# Altium PCB PCB_FRONT.PcbDoc (part 1 of 3)
Units mm, origin at the board's own origin, x right, y up, seen from the top; angles counter-clockwise.
Board outline 310 x 130 mm, 2 copper layers (Top Layer, Bottom Layer); 320 components, 233 nets, 1212 pads, 650 vias.
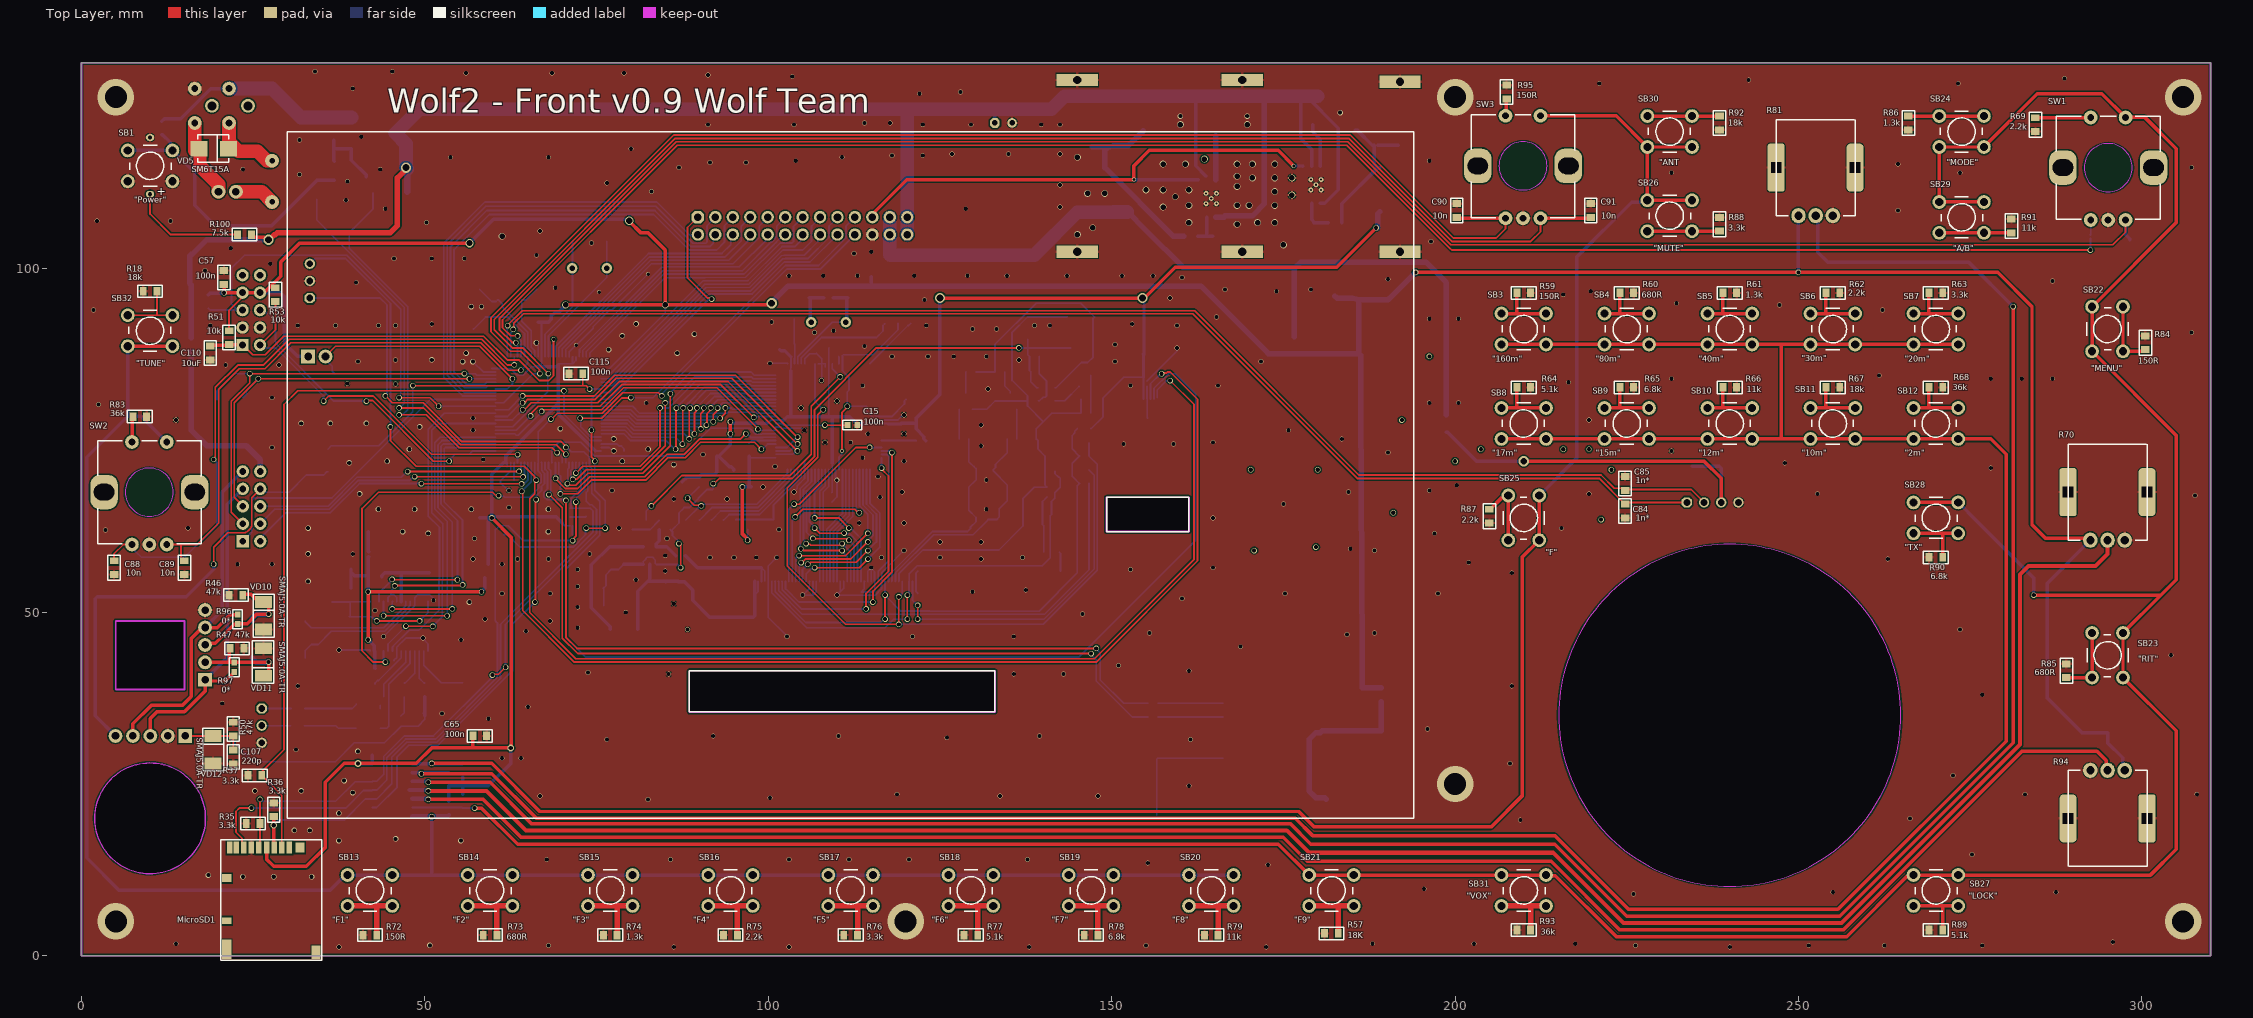
[diagram p0: Top Layer view]
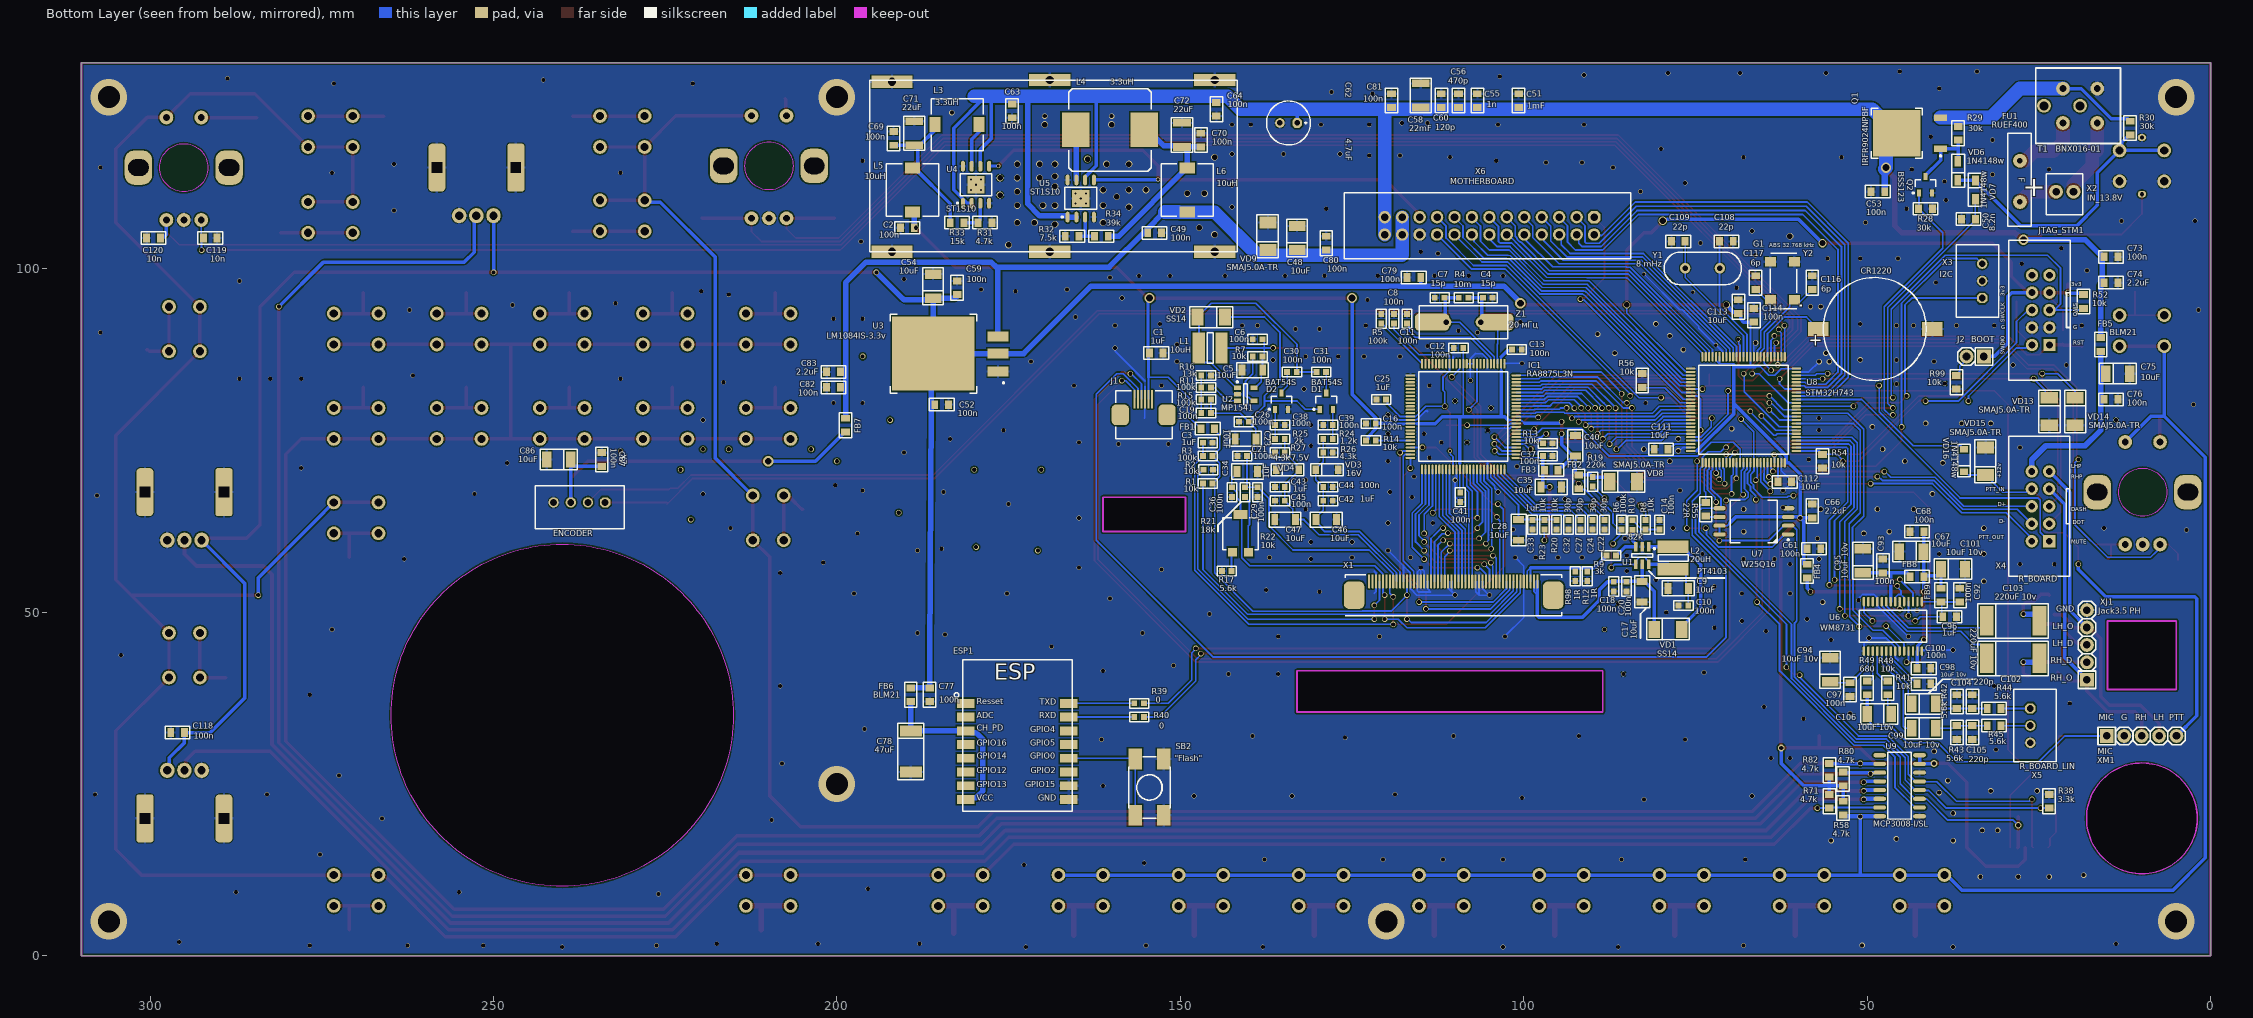
[diagram p1: Bottom Layer view, seen from below]
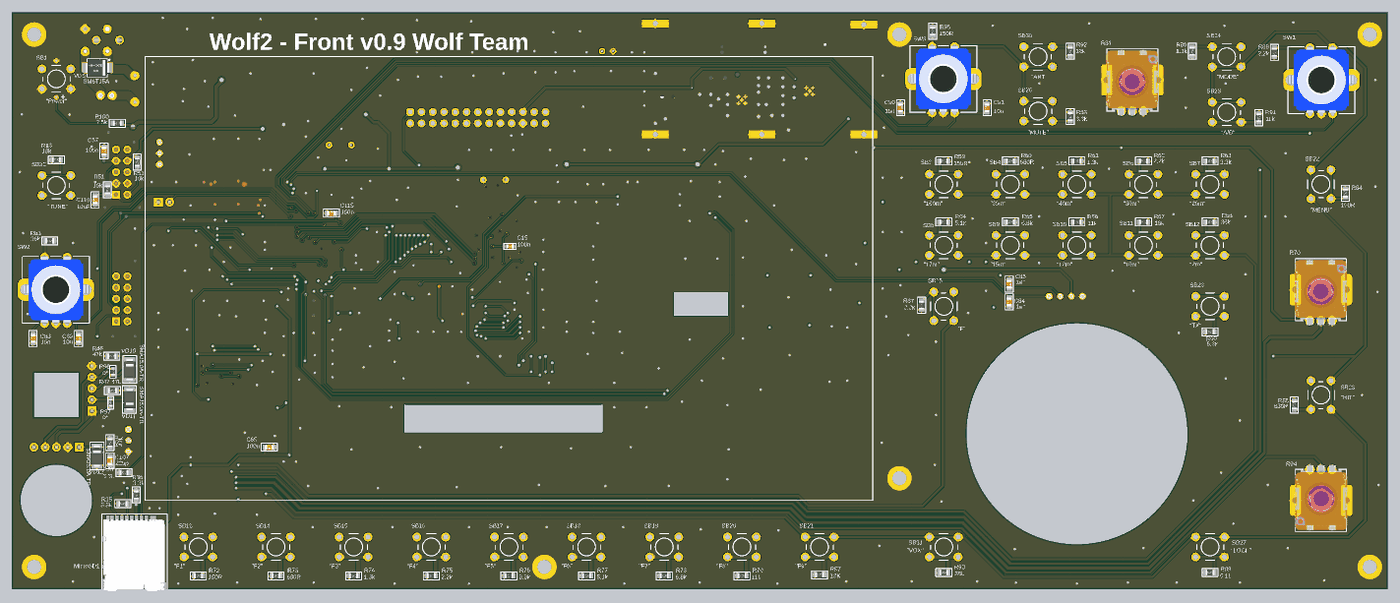
[diagram p4: 3D render of the assembled board from above, using the file's embedded part models]
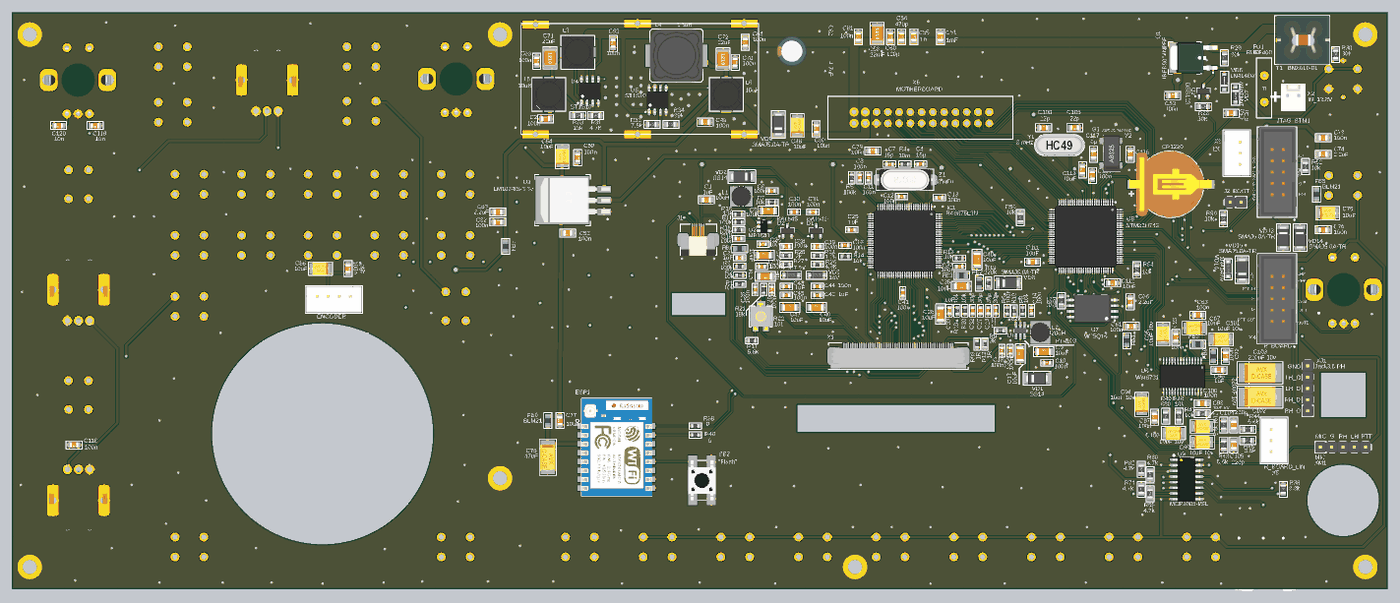
[diagram p5: 3D render of the assembled board from below, using the file's embedded part models]

## Layer stack, top to bottom
Top Solder: solder mask 0.0102, Solder Resist, Dk 3.5
Top Layer: signal copper 0.0356
Dielectric 1: dielectric 0.32, FR-4, Dk 4.8
Bottom Layer: signal copper 0.0356
Bottom Solder: solder mask 0.0102, Solder Resist, Dk 3.5

## Board outline
0,0 310,0 310,130 0,130
cut-out: 215.094,35 ccw(c240,35) 240,10.094 ccw(c240,35) 264.906,35 ccw(c240,35) 240,59.906 ccw(c240,35)
cut-out: 10,11.938 cw(c10,20) 1.938,20 cw(c10,20) 10,28.062 cw(c10,20) 18.062,20 cw(c10,20)
cut-out: 149.25,61.75 161.25,61.75 161.25,66.75 149.25,66.75
cut-out: 5,38.75 5,48.75 15,48.75 15,38.75
cut-out: 88.5,35.5 133,35.5 133,41.5 88.5,41.5
cut-out: 5,48.75 15,48.75 15,38.75 5,38.75
cut-out: 149.25,66.75 149.25,61.75 161.25,61.75 161.25,66.75
cut-out: 88.5,41.5 88.5,35.5 133,35.5 133,41.5

## Design rules (kind name [scope] priority, off if disabled: settings)
Clearance [All] p1: gap=0.2 ignorepadtopadclearanceinfootprint=FALSE
PlaneConnect [All] p1: planeconnectstyle=Relief reliefexpansion=0.508 reliefentries=4 reliefconductorwidth=1.16 reliefairgap=0.127
PolygonConnect [All] p1: connectstyle=Relief reliefconductorwidth=0.4 reliefentries=4 polygonreliefangle="90 Angle" airgapwidth=0.127
RoutingVias [InNet('No Net')] p1: holewidth=0.6 width=1.27 viastyle="Through Hole" minholewidth=0.4 minwidth=1.27 maxholewidth=1 maxwidth=1.27
SolderMaskExpansion [All] p1: expansion=0.102 istentingtop=FALSE
Width [All] p1: maxlimit=2 minlimit=0.254 preferedwidth=0.508 minimp=50.000000 maximp=50.000000 favimp=50.000000
29 further rules are at their usual default settings.

## Classes and differential pairs
component class STM32: C108 C109 C110 C111 C112 C113 C114 C115 C116 C117 G1 J2 JTAG_STM1 R51 R52 R53 R54 R55 R56 R99 U7 U8 VD13 VD14 VD15 VD16 Y1 Y2
component class Power: C48 C49 C50 C51 C52 C53 C54 C55 C56 C57 C58 C59 C60 C61 C62 C63 C64 C65 C66 C67 C68 C69 C70 C71 C72 C73 C74 C75 C76 FB4 FB5 FU1 L3 L4 L5 L6 Q1 Q2 R28 R29 R30 R31 R32 R33 R34 R100 SB1 T1 U3 U4 U5 VD5 VD6 VD7 VD8 VD9 X2
component class LCD: C1 C2 C3 C4 C5 C6 C7 C8 C9 C10 C11 C12 C13 C14 C15 C16 C17 C18 C19 C20 C21 C22 C23 C24 C25 C26 C27 C28 C29 C30 C31 C32 C33 C34 C35 C36 C37 C38 C39 C40 C41 C42 C43 C44 C45 C46 C47 D1 D2 FB1 FB2 FB3 IC1 J1 L1 L2 R1 R2 R3 R4 R5 R6 R7 R8 R9 R10 R11 R12 R13 R14 R15 R16 R17 R19 R20 R21 R22 R23 R24 R25 R26 R27 R98 U1 U2 VD1 VD2 VD3 VD4 X1 Z1
component class Control: C88 C89 C90 C91 C118 C119 C120 R18 R57 R58 R59 R60 R61 R62 R63 R64 R65 R66 R67 R68 R69 R70 R71 R72 R73 R74 R75 R76 R77 R78 R79 R80 R81 R82 R83 R84 R85 R86 R87 R88 R89 R90 R91 R92 R93 R94 R95 SB3 SB4 SB5 SB6 SB7 SB8 SB9 SB10 SB11 SB12 SB13 SB14 SB15 SB16 SB17 SB18 SB19 SB20 SB21 SB22 SB23 SB24 SB25 SB26 SB27 SB28 SB29 SB30 SB31 SB32 SW1 SW2 SW3 U9
component class Conn: C77 C78 C79 C80 C81 C82 C83 C84 C85 C86 C87 ESP1 FB6 FB7 MicroSD1 R35 R36 R37 R38 R39 R40 R96 R97 SB2 X3 X4 X5 X6 X7 XJ1 XM1
component class Codec: C92 C93 C94 C95 C96 C97 C98 C99 C100 C101 C102 C103 C104 C105 C106 C107 FB8 FB9 R41 R42 R43 R44 R45 R46 R47 R48 R49 R50 U6 VD10 VD11 VD12

## Components (designator, comment, footprint, x,y, rotation, side; value= is the part's Value field where it differs from the comment)
C1 "1uF" CH0805C 153.5,87.75 r0 bottom
C2 "100n" CH0805C 189.75,106 r180 bottom
C3 "1uF" CH0603C 146,74.696 r180 bottom
C4 "15p" CH0603C 105.25,95.804 r0 bottom
C5 "10uF" CH1206C 139.5,85.25 r180 bottom
C6 "100n" CH0603C 138.75,89.75 r180 bottom
C7 "15p" CH0603C 112.25,95.804 r180 bottom
C8 "100n" CH0603C 118.896,92.75 r270 bottom
C9 "10uF" CH1206C 77.5,53.5 r180 bottom
C10 "100n" CH0603C 76.75,51 r180 bottom
C11 "100n" CH0603C 117,92.75 r270 bottom
C12 "100n" CH0603C 109.5,88.5 r0 bottom
C13 "100n" CH0603C 101,88.25 r180 bottom
C14 "100n" CH0603C 80.25,62.75 r90 bottom
C15 "100n" CH0603C 112.25,77.25 r180 top
C16 "100n" CH0603C 122.25,77.5 r180 bottom
C17 "10uF" CH1206C 82.75,53 r90 bottom
C18 "100n" CH0603C 86.896,53.75 r90 bottom
C19 "100n" CH0603C 146.25,79 r180 bottom
C20 "100n" CH0603C 85.041,53.75 r90 bottom
C21 "100n" CH0603C 141,72.75 r180 bottom
C22 "30p" CH0603C 88.25,62.75 r270 bottom
C23 "10uF" CH1206C 140.5,75.25 r180 bottom
C24 "30p" CH0603C 90,62.75 r270 bottom
C25 "1uF" CH0603C 120.75,81 r180 bottom
C26 "100n" CH0603C 140.75,77.75 r180 bottom
C27 "30p" CH0603C 91.75,62.75 r270 bottom
C28 "10uF" CH1206C 100.75,62 r90 bottom
C29 "100n" CH0603C 138.75,67.5 r90 bottom
C30 "100n" CH0603C 133.75,85 r0 bottom
C31 "100n" CH0603C 129.5,85 r180 bottom
C32 "30p" CH0603C 93.5,62.75 r270 bottom
C33 "1uF" CH0603C 98.75,62.75 r90 bottom
C34 "1uF" CH1206C 140.25,70.496 r0 bottom
C35 "10uF" CH1206C 96,68.241 r0 bottom
C36 "100n" CH0603C 142.5,67.5 r90 bottom
C37 "100n" CH0603C 96.5,72.75 r0 bottom
C38 "100n" CH0603C 135.5,77.25 r0 bottom
C39 "100n" CH0603C 128.5,77.25 r0 bottom
C40 "10uF" CH1206C 92.5,74.25 r270 bottom
C41 "100n" CH0603C 109.25,66.75 r90 bottom
C42 "1uF" CH0603C 128.5,66.25 r180 bottom
C43 "1uF" CH0603C 135.5,68.25 r180 bottom
C44 "100n" CH0603C 128.5,68.25 r180 bottom
C45 "100n" CH0603C 135.5,66.25 r180 bottom
C46 "10uF" CH1206C 128.75,63.5 r180 bottom
C47 "10uF" CH1206C 134.75,63.5 r180 bottom
C48 "10uF" TANTAL_B 133,104.5 r90 bottom
C49 "100n" CH0805C 153.75,105.25 r0 bottom
C50 "8.2n" CH0805C 35.25,107.25 r0 bottom
C51 "1mF" CH0805C 100.75,124.5 r270 bottom
C52 "100n" CH0805C 184.75,80.25 r0 bottom
C53 "100n" CH0805C 48.446,111.25 r180 bottom
C54 "10uF" TANTAL_B 186,97.5 r90 bottom
C55 "1n" CH0805C 106.75,124.5 r270 bottom
C56 "470p" CH0805C 109.5,124.5 r270 bottom
C57 "100n" CH0805C 20.75,98.75 r270 top
C58 "22mF" CH1210C 115,125.25 r270 bottom
C59 "100n" CH0805C 182.5,97.25 r270 bottom
C60 "120p" CH0805C 112,124.5 r270 bottom
C61 "100n" CH0805C 57.75,59.25 r0 bottom
C62 "4.7uF" D6.3C2.5H11 134.25,121.25 r0 bottom
C63 "100n" CH0805C 174.5,123 r90 bottom
C64 "100n" CH0805C 144.75,123.25 r90 bottom
C65 "100n" CH0805C 58,32 r180 top
C66 "2.2uF" CH0805C 58,64.75 r270 bottom
C67 "10uF" TANTAL_B 43.554,58.846 r0 bottom
C68 "100n" CH0805C 42.75,61.75 r180 bottom
C69 "100n" CH0805C 191.75,119 r270 bottom
C70 "100n" CH0805C 147,118.75 r270 bottom
C71 "22uF" CH1210C 188.75,119.75 r270 bottom
C72 "22uF" CH1210C 149.75,119.5 r270 bottom
C73 "100n" CH0805C 14.5,101.75 r0 bottom
C74 "2.2uF" CH0805C 14.5,98 r0 bottom
C75 "10uF" TANTAL_B 13.5,84.75 r180 bottom
C76 "100n" CH0805C 14.5,81 r0 bottom
C77 "100n" CH0805C 186.5,38 r90 bottom
C78 "47uF" TANTAL_C 189.25,29.75 r270 bottom
C79 "100n" CH0805C 116,98.75 r180 bottom
C80 "100n" CH0805C 128.75,103.75 r90 bottom
C81 "100n" CH0805C 119.25,124.5 r90 bottom
C82 "100n" CH0805C 200.5,82.75 r180 bottom
C83 "2.2uF" CH0805C 200.5,85 r180 bottom
C84 "1n*" CH0805C 224.75,64.75 r90 top
C85 "1n*" CH0805C 224.75,68.75 r270 top
C86 "10uF" TANTAL_B 240.5,72.25 r0 bottom
C87 "100n" CH0805C 234.25,72.25 r270 bottom
C88 "10n" CH0805C 4.75,56.5 r90 top
C89 "10n" CH0805C 15,56.5 r270 top
C90 "10n" CH0805C 200.25,108.5 r270 top
C91 "10n" CH0805C 219.75,108.5 r90 top
C92 "100n" CH0805C 36.5,52.5 r270 bottom
C93 "100n" CH0805C 47.709,56.75 r270 bottom
C94 "10uF 10v" TANTAL_B 55.404,41.65 r90 bottom
C95 "10uF 10v" TANTAL_B 50.613,57.5 r90 bottom
C96 "1uF" CH0805C 38,49.346 r0 bottom
C97 "100n" CH0805C 52.5,38.75 r90 bottom
C98 "10uF 10v" TANTAL_B 41.75,36.67 r180 bottom
C99 "10uF 10v" TANTAL_B 41.75,33.115 r180 bottom
C100 "100n" CH0805C 41.75,41.828 r180 bottom
C101 "10uF 10v" TANTAL_B 37.5,56.304 r180 bottom
C102 "220uF 10v" TANTAL_D 28.75,43.296 r180 bottom
C103 "220uF 10v" TANTAL_D 28.75,48.75 r180 bottom
C104 "220p" CH0805C 34.673,37 r90 bottom
C105 "220p" CH0805C 34.673,32.5 r90 bottom
C106 "10uF 10v" TANTAL_B 48.25,35.196 r0 bottom
C107 "220p" CH0805C 22.1,28.946 r270 top
C108 "22p" CH0805C 70.5,104 r0 bottom
C109 "22p" CH0805C 77.5,104 r180 bottom
C110 "10uF" CH0805C 18.75,87.75 r90 top
C111 "10uF" CH0805C 80,73.75 r180 bottom
C112 "10uF" CH0805C 62,69 r0 bottom
C113 "10uF" CH0805C 68.75,94.5 r90 bottom
C114 "100n" CH0805C 66.5,93.25 r90 bottom
C115 "100n" CH0805C 72,84.75 r0 top
C116 "6p" CH0805C 58,98 r90 bottom
C117 "6p" CH0805C 66.25,98 r90 bottom
C118 "100n" CH0805C 296,32.5 r0 bottom
C119 "10n" CH0805C 291.25,104.5 r0 bottom
C120 "10n" CH0805C 299.5,104.5 r0 bottom
D1 "BAT54S" SOT23_132 128.75,80.75 r90 bottom
D2 "BAT54S" SOT23_132 135.25,80.75 r90 bottom
ESP1 "ESP-07" "ESP8266 ESP-07" 181.25,22.75 r180 bottom
FB1 "BLM21" CH0805L 146,76.75 r0 bottom
FB2 "BLM21" CH0805L 92,69 r90 bottom
FB3 "BLM21" CH0805L 96,70.696 r0 bottom
FB4 "BLM21" CH0805L 58.75,56 r90 bottom
FB5 "BLM21" CH0805L 16,89 r90 bottom
FB6 "BLM21" CH0805L 189.25,38 r90 bottom
FB7 "BLM21" CH0805L 198.75,77.25 r90 bottom
FB8 "BLM21" CH0805L 42.75,55.191 r180 bottom
FB9 "BLM21" CH0805L 39.25,52.5 r90 bottom
FU1 "RUEF400" "Fuse: Ruef400" 27.75,115.75 r270 bottom
G1 "CR1220" CR1220 57.1,91.25 r90 bottom
IC1 "RA8875L3N" 100-LQFP 108.8,78.5 r270 bottom
J1 "Touch" FFC-6PIN 156.65,81.525 r270 bottom locked
J2 "BOOT" "CON: PLS-2" 34.27,87.25 r0 bottom
JTAG_STM1 "" "CON: BH-10" 23.46,88.92 r90 bottom
L1 "10uH" "IND: SDR0403" 147.3,88.5 r90 bottom
L2 "20uH" "IND: SDR0403" 78.25,59.55 r180 bottom
L3 "3.3uH" "IND: CDRH74" 182.5,121 r90 bottom
L4 "3.3uH" "IND: CDRH127" 160.25,120.25 r0 bottom
L5 "10uH" "IND: CDRH74" 189,111.5 r0 bottom
L6 "10uH" "IND: CDRH74" 149,111.5 r0 bottom
MicroSD1 "DM3AT-SF-PEJM5" SD-card 30.25,15.75 r0 top
Q1 "IRFR9024NPBF" D2PAK_132 42.5,119.75 r0 bottom
Q2 "BSS123" SOT23_132 41.5,112.25 r90 bottom
R1 "10k" CH0603R 146,68.75 r0 bottom
R2 "10k" CH0603R 145.95,70.75 r180 bottom
R3 "100k" CH0603R 146,72.75 r0 bottom
R4 "10m" CH0603R 108.754,95.804 r0 bottom
R5 "100k" CH0603R 120.75,92.75 r270 bottom
R6 "100k" CH0603R 85.75,62.75 r270 bottom
R7 "10k" CH0603R 138.75,87.25 r180 bottom
R8 "10k" CH0603R 82.25,62.75 r270 bottom
R9 "3k" CH0603R 87.25,58.25 r0 bottom
R10 "82k" CH0603R 84.146,62.696 r270 bottom
R11 "100k" CH0603R 146.25,82.75 r0 bottom
R12 "1R" CH0603R 90.75,55.25 r90 bottom
R13 "10k" CH0603R 96.5,74.604 r180 bottom
R14 "10k" CH0603R 122.25,75 r180 bottom
R15 "100k" CH0603R 146.25,81 r180 bottom
R16 "13k" CH0603R 146.25,84.5 r0 bottom
R17 "5.6k" CH0603R 143.25,56 r180 bottom
R18 "18k" CH0805R 10,96.75 r180 top
R19 "220k" CH0603R 89.946,69 r90 bottom
R20 "10k" CH0603R 95.25,62.75 r90 bottom
R21 "18k" CH0603R 140.604,67.5 r90 bottom
R22 "10k" "RES: 3314G" 141.25,61.5 r0 bottom
R23 "10k" CH0603R 97,62.75 r270 bottom
R24 "1.2k" CH0603R 128.5,75.25 r0 bottom
R25 "2k" CH0603R 135.5,75.25 r180 bottom
R26 "4.3k" CH0603R 128.5,73.25 r180 bottom
R27 "4.3k" CH0603R 135.5,73.25 r180 bottom
R28 "30k" CH0805R 41.5,108.75 r0 bottom
R29 "30k" CH0805R 36.75,119.75 r90 bottom
R30 "30k" CH0805R 11.719,120.5 r90 bottom
R31 "4.7k" CH0805R 178.446,106.75 r0 bottom
R32 "7.5k" CH0805R 165.75,104.75 r180 bottom
R33 "15k" CH0805R 182.5,106.75 r0 bottom
R34 "39k" CH0805R 161.5,104.75 r180 bottom
R35 "3.3k" CH0805R 25,19.25 r180 top
R36 "3.3k" CH0805R 28,21.25 r90 top
R37 "3.3k" CH0805R 25.25,26.25 r180 top
R38 "3.3k" CH0805R 23.5,22.5 r90 bottom
R39 "0" CH0603R 156,36.75 r180 bottom
R40 "0" CH0603R 156,34.75 r180 bottom
R41 "10k" CH0805R 41.75,39.574 r180 bottom
R42 "5.6k" CH0805R 36.927,37 r90 bottom
R43 "5.6k" CH0805R 36.927,32.5 r90 bottom
R44 "5.6k" CH0805R 31.519,36 r180 bottom
R45 "5.6k" CH0805R 31.519,33.5 r180 bottom
R46 "47k" CH0805R 22.496,52.5 r180 top
R47 "47k" CH0805R 22.646,44.754 r0 top
R48 "10k" CH0805R 47,39 r270 bottom
R49 "680" CH0805R 50,39 r270 bottom
R50 "47k" CH0805R 22.1,33 r270 top
R51 "10k" CH0805R 21.5,90 r270 top
R52 "10k" CH0805R 18.5,95.25 r270 bottom
R53 "10k" CH0805R 28.25,96.25 r270 top
R54 "10k" CH0805R 56.5,72 r270 bottom
R55 "22R" CH0805R 73.5,65 r90 bottom
R56 "10k" CH0805R 82.75,83.75 r270 bottom
R57 "18K" CH0805R 182,3.25 r180 top
R58 "4.7k" CH0805R 53.5,21.5 r90 bottom
R59 "150R" CH0805R 210,96.5 r0 top
R60 "680R" CH0805R 225,96.5 r0 top
R61 "1.3k" CH0805R 240,96.5 r0 top
R62 "2.2k" CH0805R 255,96.5 r0 top
R63 "3.3k" CH0805R 270,96.5 r0 top